# Altium PCB Bode_Analyzer.PcbDoc
Units mm, origin at the board's own origin, x right, y up, seen from the top; angles counter-clockwise.
Board outline 141.02 x 102.02 mm, 2 copper layers (Top Layer, Bottom Layer); 77 components, 62 nets, 344 pads, 134 vias.
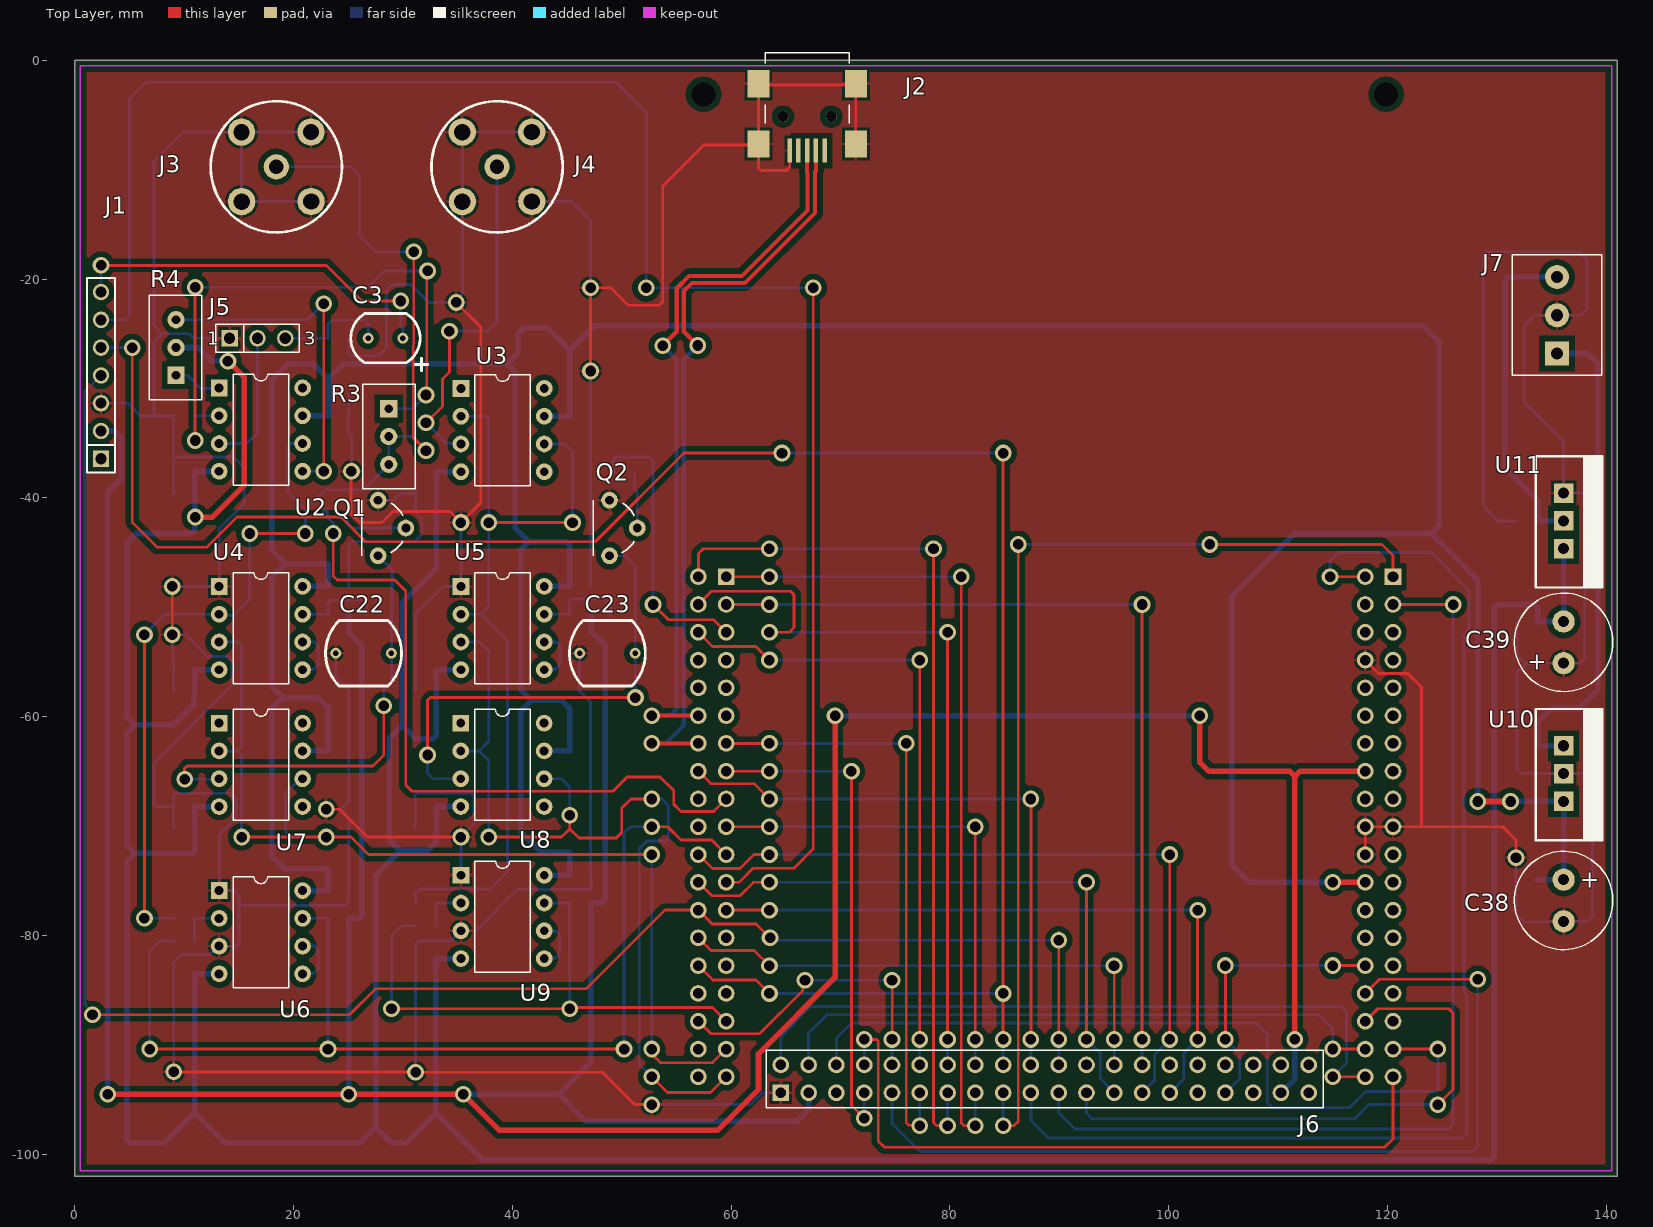
[diagram p0: Top Layer view]
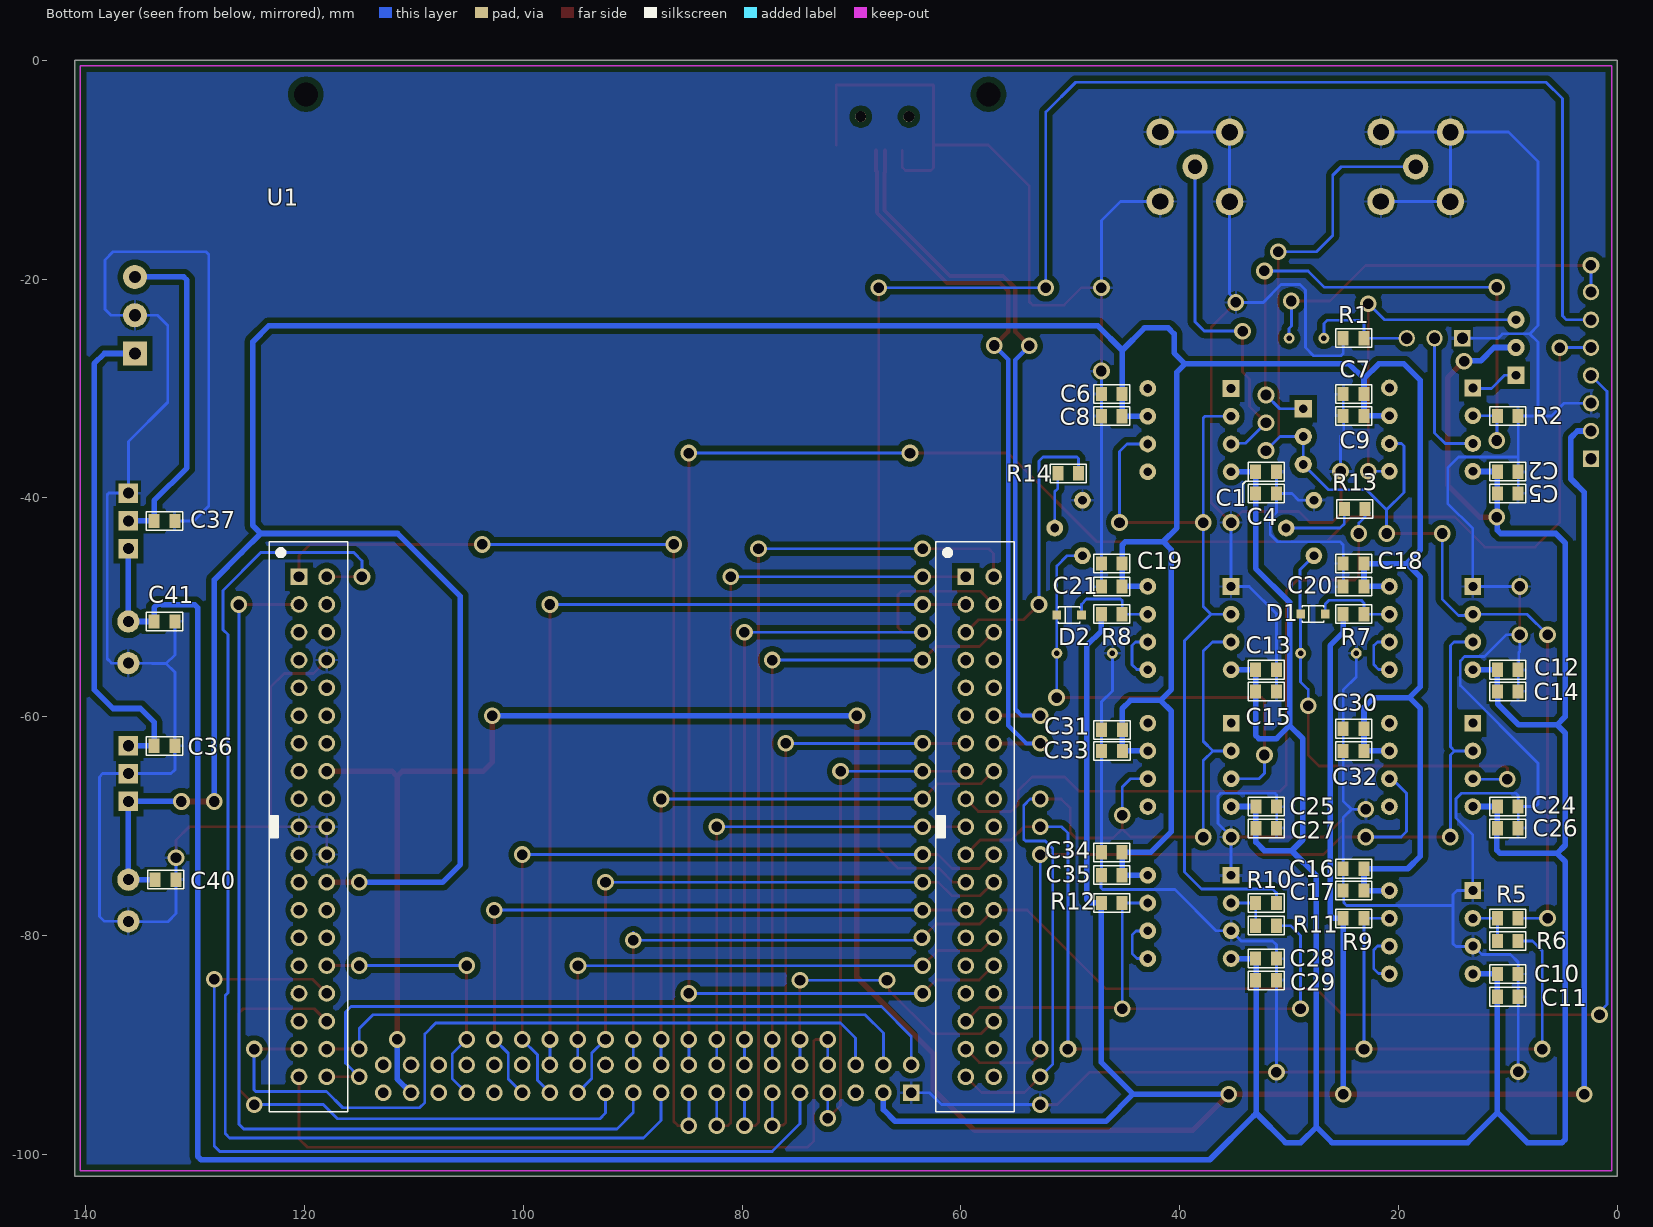
[diagram p1: Bottom Layer view, seen from below]

## Layer stack, top to bottom
Top Solder: solder mask 0.0102, Solder Resist, Dk 3.5
Top Layer: signal copper 0.0356
Dielectric 1: dielectric 0.32, FR-4, Dk 4.8
Bottom Layer: signal copper 0.0356
Bottom Solder: solder mask 0.0102, Solder Resist, Dk 3.5

## Board outline
0,-102.008 0,0 0,0.008 141.016,0.008 141.016,-102.008

## Design rules (kind name [scope] priority, off if disabled: settings)
Clearance Clearance_Polygon [All vs InPolygon] p1: gap=0.508 ignorepadtopadclearanceinfootprint=FALSE
Clearance [All] p2: gap=0.254 ignorepadtopadclearanceinfootprint=FALSE
DiffPairsRouting [All] p1: maxlimit=0.254 minlimit=0.254 mostfreqgap=0.254 toplayer_minwidth=0.381 toplayer_maxwidth=0.381 toplayer_prefwidth=0.381 bottomlayer_minwidth=0.381 bottomlayer_maxwidth=0.381 bottomlayer_prefwidth=0.381 maxuncoupledlength=12.7
MinimumSolderMaskSliver [All] p1: minsoldermaskwidth=0.127
PolygonConnect [All] p1: connectstyle=Relief reliefconductorwidth=0.254 reliefentries=4 polygonreliefangle="90 Angle" airgapwidth=0.254
RoutingVias [All] p1: holewidth=0.711 width=1.27 viastyle="Through Hole" minholewidth=0.711 minwidth=1.27 maxholewidth=0.711 maxwidth=1.27
SilkToSolderMaskClearance [IsPad] p1: minsilkscreentomaskgap=0.025 clearancetoexposedcopper=TRUE
SolderMaskExpansion [All] p1: expansion=0.102 istentingtop=FALSE
Width Width_PWR [InNet('+9V') or InNet('-9V') or InNet('3V3')  or InNet('NetC37_2') or InNet('NetC36_1')] p1: maxlimit=0.508 minlimit=0.508 preferedwidth=0.508 minimp=50.000000 maximp=50.000000 favimp=50.000000
Width [All] p2: maxlimit=0.254 minlimit=0.254 preferedwidth=0.254
27 further rules are at their usual default settings.

## Classes and differential pairs
component class U_BDAN_TFT: J6
component class U_BDAN_PWR: C36 C37 C38 C39 C40 C41 J7 U10 U11
component class U_BDAN_CPU: J1 J2 U1
component class U_BDAN_ACOND: C1 C2 C3 C4 C5 C6 C7 C8 C9 C10 C11 C12 C13 C14 C15 C16 C17 C18 C19 C20 C21 C22 C23 C24 C25 C26 C27 C28 C29 C30 C31 C32 C33 C34 C35 D1 D2 J3 J4 J5 Q1 Q2 R1 R2 R3 R4 R5 R6 R7 R8 R9 R10 R11 R12 R13 R14 U2 U3 U4 U5 U6 U7 U8 U9
differential pair USB: +USB_P -USB_N

## Components (designator, comment, footprint, x,y, rotation, side; value= is the part's Value field where it differs from the comment)
C1 "100nF" 0805 32.108,-37.61 r180 bottom
C2 "100nF" 0805 10.008,-37.6 r180 bottom
C3 "10uF 16V" CAP318 28.408,-25.4 r180 top
C4 "10uF 16V" 0805 32.108,-39.6 r180 bottom
C5 "10uF 16V" 0805 10.008,-39.6 r180 bottom
C6 "10uF 16V" 0805 46.208,-30.5 r0 bottom
C7 "10uF 16V" 0805 24.108,-30.5 r0 bottom
C8 "100nF" 0805 46.208,-32.53 r0 bottom
C9 "100nF" 0805 24.108,-32.5 r0 bottom
C10 "100nF" 0805 10.008,-83.51 r180 bottom
C11 "10uF 16V" 0805 10.008,-85.6 r180 bottom
C12 "100nF" 0805 10.008,-55.71 r180 bottom
C13 "100nF" 0805 32.108,-55.71 r180 bottom
C14 "10uF 16V" 0805 10.008,-57.7 r180 bottom
C15 "10uF 16V" 0805 32.108,-57.7 r180 bottom
C16 "10uF 16V" 0805 24.108,-73.9 r0 bottom
C17 "100nF" 0805 24.108,-75.89 r0 bottom
C18 "10uF 16V" 0805 24.108,-46 r0 bottom
C19 "10uF 16V" 0805 46.208,-46 r0 bottom
C20 "100nF" 0805 24.108,-48.09 r0 bottom
C21 "100nF" 0805 46.208,-48.09 r0 bottom
C22 "100nF" CAP508 26.408,-54.2 r180 top
C23 "100nF" CAP508 48.693,-54.2 r180 top
C24 "100nF" 0805 10.008,-68.21 r180 bottom
C25 "100nF" 0805 32.09,-68.21 r180 bottom
C26 "10uF 16V" 0805 10.008,-70.2 r180 bottom
C27 "10uF 16V" 0805 32.09,-70.2 r180 bottom
C28 "100nF" 0805 32.108,-82.11 r180 bottom
C29 "10uF 16V" 0805 32.108,-84.1 r180 bottom
C30 "10uF 16V" 0805 24.108,-61.1 r0 bottom
C31 "10uF 16V" 0805 46.19,-61.2 r0 bottom
C32 "100nF" 0805 24.108,-63.13 r0 bottom
C33 "100nF" 0805 46.19,-63.13 r0 bottom
C34 "10uF 16V" 0805 46.208,-72.4 r0 bottom
C35 "100nF" 0805 46.208,-74.49 r0 bottom
C36 "100nF" 0805 132.808,-62.66 r180 bottom
C37 "100nF" 0805 132.808,-42.1 r0 bottom
C38 "220uF 25V" CAP300RP 136.108,-76.8 r270 top
C39 "220uF 25V" CAP300RP 136.108,-53.2 r90 top
C40 "100nF" 0805 132.708,-74.895 r180 bottom
C41 "100nF" 0805 132.808,-51.295 r0 bottom
D1 "1N4148WS" SOD323F 27.823,-50.6 r0 bottom
D2 "1N4148WS" SOD323F 50.108,-50.7 r0 bottom
J1 "RECEPTACULO 7POS 0.1\"" SIPF7 2.408,-36.42 r90 top
J2 "MINIUSB_FEMALE_SMD" USB_MINI_FEMALE 69.158,-5.15 r270 top
J3 "BNC" BNC 18.428,-9.73 r0 top
J4 "BNC" BNC 38.608,-9.73 r0 top
J5 "JUMPER3" JUMPER3 16.708,-25.4 r0 top
J6 "ILI9341" ILI9341 64.552,-94.373 r0 top locked
J7 "1984620" BORNERA3_3.5MM 135.508,-26.8 r90 top
Q1 "2N7000" TO92_DGS 29.003,-42.75 r90 top
Q2 "2N7000" TO92_DGS 50.159,-42.75 r90 top
R1 "100K 1%" 0805 24.108,-25.4 r180 bottom
R2 "1K 1% 1/4W" 0805 10.008,-32.5 r0 bottom
R3 "20K" 3296W-TOP 31.148,-29.622 r270 top
R4 "100K" 3296W-TOP 6.818,-31.015 r90 top
R5 "1K 1% 1/4W" 0805 10.008,-78.43 r180 bottom
R6 "100K 1%" 0805 10.008,-80.5 r0 bottom
R7 "100K 1%" 0805 24.108,-50.63 r0 bottom
R8 "100K 1%" 0805 46.208,-50.63 r0 bottom
R9 "680R" 0805 24.108,-78.43 r0 bottom
R10 "1K 1% 1/4W" 0805 32.108,-77.03 r180 bottom
R11 "100K 1%" 0805 32.108,-79.1 r0 bottom
R12 "680R" 0805 46.208,-77.03 r0 bottom
R13 "4K7" 0805 24.008,-41 r0 bottom
R14 "4K7" 0805 50.195,-37.75 r0 bottom
U1 "NUCLEO-F401RE" NUCLEO-F401RE 59.552,-75.14 r180 bottom locked
U2 "OPA604APG4" DIP8 17.018,-33.756 r0 top
U3 "OPA604APG4" DIP8 39.118,-33.8 r0 top
U4 "LM311M" DIP8 17.018,-51.9 r0 top
U5 "LM311M" DIP8 39.118,-51.9 r0 top
U6 "LM311M" DIP8 17.018,-79.7 r0 top
U7 "OPA604APG4" DIP8 17.018,-64.4 r0 top
U8 "OPA604APG4" DIP8 39.1,-64.4 r0 top
U9 "LM311M" DIP8 39.118,-78.3 r0 top
U10 "7809" TO220-V 136.108,-65.2 r270 top
U11 "7909" TO220-V 136.108,-42.1 r270 top

## Footprints (in the part's own frame and the unit in brackets; to place one, negate y for a bottom-side part, rotate by r counter-clockwise, add the part's x,y. Pads: shape width x height; smd on the part's side, far side on the other; paste and mask are expansions set on the pad)
0805 [mm] "Chip Resistor, 2-Leads, Body 0,8\"x0,5\" - 2,0x1,3mm, IPC High Density"
  rect 1x1.3 smd: 1(-0.95,0) 2(0.95,0)
  silkscreen extent -1.65,-0.85 1.65,0.85, body extent -1,-0.62 1,0.63, height 0.39
3296W-TOP [mil]
  rect 62x62 hole 32: 1(87.6,-96.06)
  round 62 hole 32: 2(187.6,-96.06) 3(287.6,-96.06)
  silkscreen extent 0,-189 375,0, body extent 0,-190 375,0, height 454
BNC [mm]
  round 2.5 hole 1.5: 1(-3.18,3.17) 1(-3.17,-3.18) 1(3.17,3.18) 1(3.18,-3.17)
  round 2.3 hole 1.3: 2(0,0)
  silkscreen extent -6,-6 6,6, body extent -5.5,-5.5 5.5,5.5, height 13.8
BORNERA3_3.5MM [mm] "3 Position Wire to Board Terminal Block Horizontal with Board 0.138\" (3.50mm) Through Hole"
  rect 2.2x2.2 hole 1.1: 1(0,0)
  round 2.2 hole 1.1: 2(3.5,0) 3(7,0)
  silkscreen extent -2.01,-4.1 9.04,4.1, body extent -2.01,-3.6 8.99,3.7, height 8.5
CAP300RP [mil]
  round 80 hole 40: 1(-75,0) 2(75,0)
  silkscreen extent -177,-177 177,177
CAP318 [mm]
  round 1 hole 0.5: 1(-1.59,0) 2(1.59,0)
  silkscreen extent -3.87,-2.25 3.18,2.98
CAP508 [mm]
  round 1 hole 0.51: 1(-2.54,0) 2(2.54,0)
  silkscreen extent -3.47,-3 3.47,3
DIP8 [mil]
  rect 60x60 hole 32: 1(-150,150)
  round 60 hole 32: 2(-150,50) 3(-150,-50) 4(-150,-150) 5(150,-150) 6(150,-50) 7(150,50) 8(150,150)
  silkscreen extent -100,-200 100,200, body extent -155,-215 155,215, height 204
ILI9341 [mil]
  rect 60x60 hole 38: 1(0,0)
  round 60 hole 38: 2(0,100) 3(100,0) 4(100,100) 5(200,0) 6(200,100) 7(300,0) 8(300,100) 9(400,0) 10(400,100) 11(500,0) 12(500,100) 13(600,0) 14(600,100) 15(700,0) 16(700,100) 17(800,0) 18(800,100) 19(900,0) 20(900,100) 21(1000,0) 22(1000,100) 23(1100,0) 24(1100,100) 25(1200,0) 26(1200,100) 27(1300,0) 28(1300,100) 29(1400,0) 30(1400,100) 31(1500,0) 32(1500,100) 33(1600,0) 34(1600,100) 35(1700,0) 36(1700,100) 37(1800,0) 38(1800,100) 39(1900,0) 40(1900,100)
  round 78.74 hole 86.61: M1(-278.35,3593.23) M2(2178.35,3593.23)
  silkscreen extent -52,-54 1953,152, body extent -330,-80 2230,3644, height 631
JUMPER3 [mm]
  rect 1.5x1.5 hole 1.016: 1(-2.54,0)
  round 1.5 hole 1.016: 2(0,0) 3(2.54,0)
  silkscreen extent -3.81,-1.27 3.81,1.27, body extent -3.81,-1.3 3.81,1.27, height 16.15
NUCLEO-F401RE [mil]
  rect 60x60 hole 38: 1_A(-2400,1100) 1_B(0,1100)
  round 60 hole 38: 2_A(-2300,1100) 2_B(100,1100) 3_A(-2400,1000) 3_B(0,1000) 4_A(-2300,1000) 4_B(100,1000) 5_A(-2400,900) 5_B(0,900) 6_A(-2300,900) 6_B(100,900) 7_A(-2400,800) 7_B(0,800) 8_A(-2300,800) 8_B(100,800) 9_A(-2400,700) 9_B(0,700) 10_A(-2300,700) 10_B(100,700) 11_A(-2400,600) 11_B(0,600) 12_A(-2300,600) 12_B(100,600) 13_A(-2400,500) 13_B(0,500) 14_A(-2300,500) 14_B(100,500) 15_A(-2400,400) 15_B(0,400) 16_A(-2300,400) 16_B(100,400) 17_A(-2400,300) 17_B(0,300) 18_A(-2300,300) 18_B(100,300) 19_A(-2400,200) 19_B(0,200) 20_A(-2300,200) 20_B(100,200) 21_A(-2400,100) 21_B(0,100) 22_A(-2300,100) 22_B(100,100) 23_A(-2400,0) 23_B(0,0) 24_A(-2300,0) 24_B(100,0) 25_A(-2400,-100) 25_B(0,-100) 26_A(-2300,-100) 26_B(100,-100) 27_A(-2400,-200) 27_B(0,-200) 28_A(-2300,-200) 28_B(100,-200) 29_A(-2400,-300) 29_B(0,-300) 30_A(-2300,-300) 30_B(100,-300) 31_A(-2400,-400) 31_B(0,-400) 32_A(-2300,-400) 32_B(100,-400) 33_A(-2400,-500) 33_B(0,-500) 34_A(-2300,-500) 34_B(100,-500) 35_A(-2400,-600) 35_B(0,-600) 36_A(-2300,-600) 36_B(100,-600) 37_A(-2400,-700) 37_B(0,-700) 38_A(-2300,-700) 38_B(100,-700)
  silkscreen extent -2507,-825 175,1225, body extent -2526,-900 230,2406, height 846
SIPF7 [mm]
  rect 1.5x1.5 hole 1.016: 1(0,0)
  round 1.5 hole 1.016: 2(2.54,0) 3(5.08,0) 4(7.62,0) 5(10.16,0) 6(12.7,0) 7(15.24,0)
  silkscreen extent -1.27,-1.27 16.51,1.27, body extent -1.28,-1.32 16.5,1.22, height 8.55
SOD323F [mm]
  rect 0.8x0.8 smd: 1(-1.125,0) 2(1.125,0)
  silkscreen extent -0.99,-0.75 0.99,0.75, body extent -1.35,-0.67 1.35,0.67, height 0.79
TO92_DGS [mil]
  round 60 hole 32: 1(0,-50) 2(-100,50) 3(100,50)
  silkscreen extent -100,-39 100,108, body extent -110,-61 110,110, height 315
TO220-V [mil]
  rect 70x70 hole 40: 1(-100,0) 2(0,0) 3(100,0)
  silkscreen extent -232,-100 240,139, body extent -197,-79 197,118, height 709
USB_MINI_FEMALE [mm]
  rect 2.2x0.4 smd: 1(3.1,-0.6) 2(3.1,-1.4) 3(3.1,-2.2) 4(3.1,-3) 5(3.1,-3.8)
  rect 2.5x2 smd: 6(2.5,2.25) 7(2.5,-6.65) 8(-3,2.25) 9(-3,-6.65)
  round 1 hole 1 unplated: ""(0,0) ""(0,-4.4)
  silkscreen extent -5.85,-6.05 0.6,1.65, body extent -5.92,-7.04 3.33,2.86, height 3.93

## Part data
C1 C2 C8 C9 C10 C12 C13 C17 C20 C21 C24 C25 C28 C32 C33 C35 C36 C37 C40 C41: library part CAP0805_100nF_X7R, "CAP0805 100nF X7R", CREO=CP, Part Number=CAP0805_100nF_X7R
C3: library part CAP_TAN_10uF_16V_CAP318, "CAP TANT 10UF 10% 16V RADIAL", Manufacturer="KYOCERA AVX", Manufacturer Part Number=TAP106K016CRS, Supplier Part Number 1=478-TAP106K016CRSCT-ND, APROBO=-, CREO=JP, Part Number=CAP_TAN_10uF_16V_CAP318, Supplier 1=Digi-Key
C4 C5 C6 C7 C11 C14 C15 C16 C18 C19 C26 C27 C29 C30 C31 C34: library part CAP0805_10uF_16V_X5R, "CAP0805 10uF 16V X5R", Manufacturer="TDK Corporation", Manufacturer Part Number=C2012X5R1C106K085AC, Supplier Part Number 1=445-7644-1-ND, CREO=AP, Part Number=CAP0805_10uF_16V_X5R, Supplier 1=Digi-Key
C22 C23: library part CAP_CER_100nF_250V_CAP508, "CAP CER RAD 100NF 250V C0G 10%", APROBO=-, CREO=JP, Part Number=CAP_CER_100nF_250V_CAP508, Supplier 1=Digi-Key
C38 C39: library part CAP_ELECT_220uF_25V, "CAP ELECT 220uF 25V", Manufacturer=Nichicon, Manufacturer Part Number=UVR1E221MPD1TA, Supplier Part Number 1=493-6097-3-ND, APROBO=-, CREO=MM, Part Number=CAP_ELECT_220uF_25V, Supplier 1=Digi-Key
D1 D2: library part 1N4148_SOD323F, "DIODE 75V 150MA SOD323F", Supplier Part Number 1=1N4148WSFSTR-ND, CREO=EB, Part Number=1N4148_SOD323F, Supplier 1=Digi-Key
J1: library part "RECEPTACLE_7POS_0.1\"", "RECEPTACULO 1x7 POS 0.1\"", APROBO=-, Part Number="RECEPTACLE_7POS_0.1\"", Publico=JP, Supplier 1=ElectroComponentes
J2: library part CON_MINIUSB_FEMALE_SMD, "CONECTOR MINIUSB FEMALE_SMD", APROBO=-, Part Number=CON_MINIUSB_FEMALE_SMD, Publico=EB, Supplier 1=ElectroComponentes
J3 J4: "CONN BNC RCPT STR 50 OHM PCB", Manufacturer="Amphenol RF", Manufacturer Part Number=112404, Supplier Part Number 1=ACX1051-ND, Part Number=BNC, Publico=JP, Supplier 1=Digi-Key
J5: library part JUMPER3_TH, "TIRA DE PINES 1x3 0.1\" + JUMPER", Manufacturer="Harwin Inc.", Manufacturer Part Number=M20-9990345, Supplier Part Number 1=952-2263-ND, APROBO=-, Part Number=JUMPER3_TH, Publico=EB, Supplier 1=Digi-Key
J6: library part ILI9341-3.2, "ILI9341-3.2''", APROBO=-, Part Number=ILI9341-3.2, Publico=JP
J7: library part BORNERA_3_3.5MM_TORNILLO, "TERM BLK 3P SIDE ENT 3.5MM PCB", Manufacturer="Phoenix Contact", Supplier Part Number 1=277-1722-ND, APROBO=-, Manufacturer Part Number=1984620, Part Number=BORNERA_3_3.5MM_TORNILLO, Publico=AP, Supplier 1=Digi-Key
Q1 Q2: library part 2N7000_TO92, "MOSFET N-CH 60V 200MA TO-92", APROBO=-, Part Number=2N7000_TO92, Publico=EB
R1 R6 R7 R8 R11: library part RES0805_100K_1%, "RES0805 100K 1%", Manufacturer="Stackpole Electronics Inc", Manufacturer Part Number=RMCF0805FG100K, Supplier Part Number 1=RMCF0805FG100KCT-ND, APROBO=-, Part Number=RES0805_100K_1%, Publico=EB, Supplier 1=Digi-Key
R2 R5 R10: library part RES0805_1K_1%, "RES SMD 1K OHM 1% 1/4W 0805", Manufacturer="Stackpole Electronics Inc", Manufacturer Part Number=RNCP0805FTD1K00, Supplier Part Number 1=RNCP0805FTD1K00TR-ND, APROBO=-, Part Number=RES0805_1K_1%, Publico=JS, Supplier 1=Digi-Key
R3: library part TRIMMER_3296W_20K, "3296 TRIMMER 20K OHM 0.5W PC PIN", Manufacturer="Bourns Inc.", Manufacturer Part Number=3296W-1-203, Supplier Part Number 1=3296W-203-ND, APROBO=-, Part Number=TRIMMER_3296W_20K, Publico=JP, Supplier 1=Digi-Key
R4: library part TRIMMER_3296W_100K_MULTI, "3296 TRIMMER 100K OHM 0.5W PC PIN", Manufacturer="Bourns Inc.", Manufacturer Part Number=3296W-1-104LF, Supplier Part Number 1=3296W-104LF-ND, APROBO=-, Part Number=TRIMMER_3296W_100K_MULTI, Publico=JP, Supplier 1=Digi-Key
R9 R12: library part RES0805_680R_1%, "RES0805 680R 1%", Manufacturer="Stackpole Electronics Inc", Manufacturer Part Number=RMCF0805FT680R, Supplier Part Number 1=RMCF0805FT680RCT-ND, APROBO=-, Part Number=RES0805_680R_1%, Publico=JP, Supplier 1=Digi-Key
R13 R14: library part RES0805_4K7_5%, "RES0805 4K7 5%", Manufacturer="Stackpole Electronics Inc", Supplier Part Number 1=RMCF0805JT4K70TR-ND, APROBO=-, Part Number=RES0805_4K7_5%, Publico=EB, Supplier 1=Digi-Key
U1: Manufacturer=STMicroelectronics, Manufacturer Part Number=NUCLEO-F401RE, Part Number=NUCLEO-F401RE, Publico=JP, Supplier 1=Digi-Key
U2 U3 U7 U8: "IC OPAMP GP 1 CIRCUIT 8DIP", Manufacturer="Texas Instruments", Supplier Part Number 1=OPA604APG4-ND, APROBO=-, Manufacturer Part Number=OPA604APG4, Part Number=OPA604APG4, Publico=JP, Supplier 1=Digi-Key
U4 U5 U6 U9: library part LM311N, "IC VOLTAGE COMPARATOR 8-SOIC", Supplier Part Number 1=LM311MNS/NOPB-ND, APROBO=-, Part Number=LM311N, Publico=EB, Supplier 1=Digi-Key
U10: "IC REG LDO 9V 1.5A TO220", Part Number=7809, Publico=JP, Supplier 1=ElectroComponentes
U11: "IC REG LDO -9V 1.5A TO220", Part Number=7909, Publico=JP, Supplier 1=ElectroComponentes

## Via types
v1: diameter 1.524, hole 0.965, Top Layer to Bottom Layer, tented both sides, 134 vias

## Nets (pads, with @x,y where several pads share a name; then routed paths per layer and width w, separated by ;. In a path a pad name is that pad's centre, name@x,y a point inside that pad or via, vN(x,y) a via of type N, cw(c..) or ccw(c..) an arc to the next point about the centre after c; other vN are vias at no path point)
3V3: J1.2 J6.3 J6.37 R7.2 R8.2 R9.2 R12.2 U1.16_A | length 372
  Top Layer w0.508: v1(3.008,-94.5) v1(25.058,-94.5) v1(35.508,-94.5) 38.824,-97.816 58.758,-97.816 62.508,-94.066 62.508,-90.816 69.508,-83.816 v1(69.508,-59.9) ; v1(102.842,-59.9) 102.842,-64.15 103.697,-65.005 111.081,-65.005 111.542,-65.466 ; v1(111.542,-89.5) 111.542,-65.466 ; U1.16_A 112.028,-64.98 111.542,-65.466
  Bottom Layer w0.508: J1.2 3.638,-33.88 4.258,-34.5 4.258,-38.25 3.008,-39.5 v1(3.008,-94.5) ; v1(25.058,-94.5) R9.2 25.96,-78.43 26.258,-78.132 26.258,-53.5 25.058,-52.3 R7.2 ; v1(35.508,-94.5) 44.258,-94.5 ; R8.2 47.158,-52.15 48.508,-53.5 48.508,-76.702 48.21,-77 47.188,-77 47.188,-91.57 44.258,-94.5 ; J6.3 67.092,-95.916 66.008,-97 46.758,-97 44.258,-94.5 ; v1(69.508,-59.9) v1(102.842,-59.9) ; J6.37 111.542,-93.103 v1(111.542,-89.5) v1@111.542,-89.284
+9V: C6.1 C7.1 C8.1 C9.1 C16.1 C17.1 C18.1 C19.1 C20.1 C21.1 C30.1 C31.1 C32.1 C33.1 C34.1 C35.1 C38.1 C40.1 U1.24_A U2.7 U3.7 U4.8 U5.8 U6.8 U7.7 U8.7 U9.8 U10.3 | length 395.8
  Top Layer w0.508: v1(115.008,-75.14) U1.24_A ; v1(128.258,-67.75) v1(131.258,-67.75)
  Bottom Layer w0.508: U6.8 C17.1 C16.1 19.158,-73.9 18.008,-72.75 18.008,-59.25 19.008,-58.25 ; U7.7 C32.1 C30.1 23.158,-59.15 22.258,-58.25 19.008,-58.25 ; U4.8 C20.1 C18.1 19.258,-46 ; U2.7 20.835,-32.493 23.151,-32.493 C9.1 C7.1 23.158,-29.1 ; U8.7 C33.1 45.258,-63.112 45.258,-59.25 44.508,-58.5 41.758,-58.5 ; U9.8 C35.1 C34.1 42.658,-72.4 40.758,-70.5 40.758,-59.5 41.758,-58.5 ; U5.8 C21.1 C19.1 45.258,-44.298 44.96,-44 41.508,-44 ; U3.7 C8.1 45.258,-26.5 ; v1(115.008,-75.14) 107.398,-75.14 105.758,-73.5 105.758,-49 111.508,-43.25 124.008,-43.25 ; v1(128.258,-67.75) 128.258,-47.5 125.758,-45 124.008,-43.25 ; v1@131.258,-67.74 U10.3 C38.1 C40.1 ; 19.008,-58.25 18.008,-57.25 18.008,-47.25 19.258,-46 ; 19.258,-46 18.008,-44.75 18.008,-29.25 19.508,-27.75 21.808,-27.75 23.158,-29.1 ; 23.158,-29.1 24.508,-27.75 39.508,-27.75 ; 39.508,-27.75 40.508,-26.75 40.508,-25 41.048,-24.46 43.218,-24.46 45.258,-26.5 ; 39.508,-27.75 40.258,-28.5 40.258,-42.75 41.508,-44 ; 41.508,-44 40.758,-44.75 40.758,-57.5 41.758,-58.5 ; 45.258,-26.5 47.508,-24.25 54.008,-24.25 123.258,-24.25 124.742,-25.734 124.742,-42.516 124.008,-43.25
-9V: C1.1 C2.1 C4.1 C5.1 C10.1 C11.1 C12.1 C13.1 C14.1 C15.1 C24.1 C25.1 C26.1 C27.1 C28.1 C29.1 C39.2 C41.2 R4.2 U2.4 U3.4 U4.4 U5.4 U6.4 U7.4 U8.4 U9.4 U11.3 | length 430.2
  Top Layer w0.508: v1(11.008,-41.75) 12.588,-41.75 15.508,-38.83 15.508,-29 v1(14.008,-27.5)
  Bottom Layer w0.508: 5.339,-60.919 4.758,-61.5 4.758,-71.75 5.508,-72.5 ; R4.2 11.258,-26.25 12.484,-27.476 13.984,-27.476 v1(14.008,-27.5) ; U6.4 C10.1 C11.1 10.958,-96.2 ; U7.4 C24.1 C26.1 11.008,-70.25 11.008,-72.202 10.71,-72.5 5.508,-72.5 ; U4.4 C12.1 C14.1 10.944,-57.714 10.944,-58.814 9.008,-60.75 5.508,-60.75 4.758,-60 4.758,-44.12 5.628,-43.25 10.66,-43.25 10.958,-42.952 C5.1 C2.1 10.975,-37.583 13.191,-37.583 U2.4 ; U8.4 C25.1 C27.1 33.04,-71.468 32.258,-72.25 29.758,-72.25 ; U9.4 C28.1 33.008,-82.16 33.008,-96.25 ; U5.4 C13.1 C15.1 33.058,-61.702 32.76,-62 31.154,-62 29.956,-60.802 ; U3.4 C1.1 C4.1 33.058,-46.437 29.956,-49.539 29.956,-60.802 ; U11.3 C39.2 C41.2 133.758,-50.016 133.46,-49.718 133.04,-49.718 133.008,-49.75 130.056,-49.75 129.758,-50.048 129.758,-100.202 129.46,-100.5 37.258,-100.5 33.259,-96.501 33.008,-96.25 ; 5.508,-72.5 4.758,-73.25 4.758,-98.631 5.056,-98.928 8.23,-98.928 10.958,-96.2 ; 10.958,-96.2 13.687,-98.928 26.08,-98.928 27.508,-97.5 ; 27.508,-97.5 28.937,-98.928 30.33,-98.928 33.008,-96.25 ; 27.508,-97.5 27.508,-74.5 29.758,-72.25 ; 29.758,-72.25 28.758,-71.25 28.758,-62 29.956,-60.802
DDS_CS: J1.6 U1.23_B | length 163.4
  Top Layer w0.254: U1.23_B 60.718,-75.14 62.008,-73.85 65.758,-73.85 67.508,-72.1 v1@67.508,-20.85
  Bottom Layer w0.254: J1.6 4.638,-23.72 5.008,-23.35 5.008,-3.5 6.508,-2 49.508,-2 52.238,-4.73 v1(52.238,-20.78) v1(67.508,-20.78)
DDS_MOSI: J1.4 J6.22 U1.26_B | length 165.1
  Top Layer w0.254: v1(1.628,-87.25) 25.128,-87.25 27.5,-84.878 46.75,-84.878 53.948,-77.68 U1.26_B 58.282,-78.95 62.294,-78.95 v1(63.564,-80.22) ; v1(89.952,-89.5) v1(89.952,-80.43) v1@89.952,-79.736
  Bottom Layer w0.254: v1(1.628,-87.25) 1.628,-86.985 0.953,-86.309 0.953,-30.255 J1.4 ; v1(63.564,-80.22) 63.774,-80.43 89.239,-80.43 89.933,-79.736 v1@89.952,-79.736 ; J6.22 v1(89.952,-89.5)
DDS_SCK: J1.5 J6.18 U1.30_B | length 189.8
  Top Layer w0.254: v1(5.268,-26.26) 5.268,-42.26 7.508,-44.5 12.088,-44.5 14.838,-41.75 24.338,-41.75 26.594,-44.006 47.582,-44.006 55.688,-35.9 v1(64.658,-35.9) ; U1.30_B 58.332,-84.08 62.288,-84.08 v1(63.508,-85.3) ; v1(84.872,-89.5) v1(84.872,-85.3) v1(84.872,-35.9)
  Bottom Layer w0.254: J1.5 v1(5.268,-26.26) ; v1(63.508,-85.3) v1(84.872,-85.3) v1@84.958,-85.3 ; v1(64.658,-35.9) v1(84.872,-35.9) ; J6.18 v1(84.872,-89.5)
GND: C1.2 C2.2 C4.2 C5.2 C6.2 C7.2 C8.2 C9.2 C10.2 C11.2 C12.2 C13.2 C14.2 C15.2 C16.2 C17.2 C18.2 C19.2 C20.2 C21.2 C22.2 C23.2 C24.2 C25.2 C26.2 C27.2 C28.2 C29.2 C30.2 C31.2 C32.2 C33.2 C34.2 C35.2 C36.2 C37.1 C38.2 C39.1 C40.2 C41.1 J1.3 J2.5 J2.6 J2.7 J2.8 J2.9 J3.1 J4.1 J5.1 J6.1 J7.2 Q1.3 Q2.3 R1.1 R2.1 U1.8_A U1.19_A U1.20_A U1.22_A U4.1 U5.1 U6.1 U6.3 U9.1 U9.3 U10.2 U11.1 | length 733.2
  Top Layer w0.254: v1(8.918,-52.5) v1(8.918,-48.09) ; v1(9.058,-92.45) 9.083,-92.475 v1@30.983,-92.475 ; v1(23.008,-68.46) 24.218,-68.46 26.758,-71 v1(35.308,-71) ; v1(25.298,-37.566) 25.258,-37.606 25.258,-41.42 26.088,-42.25 28.088,-42.25 29.088,-41.25 34.308,-41.25 v1(35.308,-42.25) 37.115,-40.443 37.115,-24.38 v1(34.865,-22.13) ; v1(31.158,-92.5) 48.235,-92.5 51.195,-95.46 v1(52.758,-95.46) ; v1@47.158,-28.9 v1(47.158,-28.4) v1(47.158,-20.78) 48.972,-20.78 50.572,-22.38 53.444,-22.38 53.758,-22.066 53.758,-11.5 57.508,-7.75 J2.7@62.508,-7.75 ; J2.5 65.358,-9.792 65.084,-10.066 62.733,-10.066 62.508,-9.841 J2.7@62.508,-7.75 ; J2.6@71.408,-7.75 J2.6 71.408,-2.25 62.508,-2.25 J2.7 J2.7@62.508,-7.75 ; U1.22_A U1.20_A U1.19_A 130.545,-70.06 131.758,-71.273 v1(131.758,-72.88) ; U1.8_A 119.193,-56.041 121.86,-56.041 123.115,-57.296 123.115,-69.88 ; v1@131.372,-72.637 v1@131.615,-72.88
  Bottom Layer w0.254: J1.3 4.848,-31.34 6.008,-32.5 7.258,-32.5 ; v1(8.918,-48.09) U4.1 13.208,-42.8 15.508,-40.5 15.508,-37.25 14.515,-36.257 9.058,-36.257 ; v1(9.058,-92.45) C11.2 C10.2 9.058,-82.45 9.758,-81.75 12.372,-81.75 13.152,-80.97 U6.3 13.238,-81 14.758,-81 15.008,-80.75 15.008,-77.25 ; C26.2 C24.2 ; C14.2 C12.2 9.018,-55.67 9.018,-54.14 8.918,-54.04 v1(8.918,-52.5) 10.128,-52.5 12.128,-54.5 13.952,-54.5 14.351,-54.899 14.351,-57.157 7.258,-64.25 7.258,-68 7.468,-68.21 C24.2 ; C5.2 C2.2 9.058,-36.257 ; J5.1 10.908,-25.4 10.508,-25 8.008,-25 ; J3.1@21.598,-6.55 21.593,-6.555 15.253,-6.555 J3.1@15.248,-6.56 ; J3.1@21.603,-12.9 21.608,-12.9 21.603,-12.905 15.263,-12.905 15.258,-12.91 15.253,-12.905 15.253,-6.565 J3.1@15.248,-6.56 ; v1(23.008,-68.46) 24.298,-68.46 ; C22.2 23.868,-56.36 25.058,-57.55 C30.2 C32.2 25.058,-67.7 24.298,-68.46 ; C20.2 C18.2 25.058,-44.28 25.338,-44 31.088,-44 31.729,-43.359 31.729,-41.891 31.158,-41.32 C4.2 ; C7.2 25.058,-32.316 25.008,-32.366 25.008,-34.066 25.298,-34.356 v1(25.298,-37.566) ; R1.1 25.058,-26.8 25.258,-27 27.758,-27 28.508,-26.25 28.508,-21 29.008,-20.5 30.735,-20.5 32.365,-22.13 v1(34.865,-22.13) 34.865,-21.919 35.438,-21.346 35.438,-12.91 J4.1@35.428,-12.9 ; Q1.3 29.128,-40.21 29.738,-39.6 C4.2 ; C27.2 C25.2 31.14,-67.149 31.288,-67 36.258,-67 36.508,-67.25 36.508,-69.75 35.308,-70.95 v1(35.308,-71) U9.1 U9.1@35.362,-74.544 ; v1(31.158,-92.5) C29.2 C28.2 31.158,-80.85 31.508,-80.5 34.378,-80.5 U9.3 36.688,-79.57 40.45,-75.808 47.051,-75.808 47.2,-75.659 47.2,-74.532 C35.2 C34.2 47.158,-63.149 C33.2 C31.2 47.14,-58.632 46.153,-57.645 C23.2 ; C15.2 C13.2 31.158,-50.587 33.655,-48.09 U5.1 v1(35.308,-42.25) ; C1.2 C4.2 ; J4.1@35.433,-6.56 J4.1@41.773,-6.56 ; J4.1@35.438,-12.905 J4.1@35.438,-6.565 ; J4.1@41.788,-12.9 45.408,-12.9 47.158,-14.65 v1(47.158,-20.78) ; C21.2 C19.2 C8.2 C6.2 v1(47.158,-28.4) ; v1(52.758,-95.46) 61.785,-95.46 62.872,-94.373 J6.1 ; v1(131.758,-72.88) C40.2 131.758,-78 132.508,-78.75 136.063,-78.75 C38.2 138.303,-78.705 138.758,-78.25 138.758,-65.5 138.458,-65.2 U10.2 132.208,-65.2 131.858,-64.85 C36.2 131.858,-55.94 132.653,-55.145 ; C41.1 131.858,-54.35 132.653,-55.145 ; C37.1 130.108,-42.1 128.758,-40.75 128.758,-17.75 129.008,-17.5 137.508,-17.5 138.258,-18.25 138.258,-22.75 137.708,-23.3 J7.2 133.458,-23.3 132.508,-24.25 132.508,-31.25 136.108,-34.85 U11.1 137.896,-39.56 138.045,-39.709 138.045,-54.7 137.64,-55.105 C39.1 133.99,-55.105 133.95,-55.145 132.653,-55.145 ; 7.258,-32.5 R2.1 9.058,-36.257 ; 7.258,-32.5 7.258,-25.75 8.008,-25 ; 8.008,-25 7.258,-24.25 7.258,-9.25 9.948,-6.56 J3.1@15.248,-6.56 ; C24.2 9.058,-67.2 9.258,-67 14.25,-67 14.75,-67.5 14.75,-69.258 13.208,-70.8 U6.1 14.648,-75.89 15.008,-76.25 15.008,-77.25 ; 15.008,-77.25 24.758,-77.25 25.008,-77 25.008,-75.94 C17.2 C16.2 25.058,-69.22 24.298,-68.46
NetC3_1: C3.1 J1.7 | length 34.8
  Top Layer w0.254: v1(2.408,-18.743) 23.001,-18.743 26.258,-22 v1(29.791,-22)
  Bottom Layer w0.254: J1.7@2.333,-21.105 J1.7 v1(2.408,-18.743) ; v1(29.791,-22) 29.791,-24.283 30.008,-24.5 30.008,-25.39 C3.1
NetC3_2: C3.2 J5.3 R1.2 | length 10.5
  Bottom Layer w0.254: J5.3 R1.2 23.158,-24.1 23.508,-23.75 26.508,-23.75 26.818,-24.06 C3.2
NetC22_1: C22.1 D1.2 Q1.2 U7.3 | length 42
  Top Layer w0.254: v1@10.008,-65.67 v1(10.048,-65.71) 10.048,-64.71 10.258,-64.5 27.258,-64.5 28.258,-63.5 v1(28.258,-59)
  Bottom Layer w0.254: v1(10.048,-65.71) 13.168,-65.71 U7.3 ; Q1.2 29.008,-46.565 29.008,-50.54 D1.2 C22.1 28.948,-56.81 28.258,-57.5 v1(28.258,-59)
NetC23_1: C23.1 D2.2 Q2.2 U8.3 | length 43.8
  Top Layer w0.254: v1(32.258,-63.5) 32.258,-58.5 32.508,-58.25 v1(51.258,-58.25)
  Bottom Layer w0.254: v1(32.258,-63.5) 32.258,-65.169 32.76,-65.67 U8.3 ; Q2.2 50.298,-45.29 51.233,-46.225 D2.2 C23.1 51.246,-54.212 51.246,-58.237 v1(51.258,-58.25)
NetC36_1: C36.1 J7.1 U10.1 | length 45.2
  Bottom Layer w0.508: C36.1@133.658,-62.66 U10.1 ; C36.1 133.758,-60.5 135.008,-59.25 137.508,-59.25 139.237,-57.521 139.237,-27.728 138.308,-26.8 J7.1
NetC37_2: C37.2 J7.3 U11.2 | length 30.5
  Bottom Layer w0.508: J7.3 131.056,-19.8 130.758,-20.098 130.758,-37.25 133.758,-40.25 C37.2 U11.2
NetD1_1: D1.1 R7.1 U4.7 | length 8.1
  Bottom Layer w0.254: U4.7 R7.1 23.158,-49.6 23.403,-49.355 26.363,-49.355 26.698,-49.69 D1.1
NetD2_1: D2.1 R8.1 U5.7 | length 8.5
  Bottom Layer w0.254: U5.7 R8.1 45.258,-49.399 45.407,-49.25 48.508,-49.25 48.983,-49.725 D2.1
NetJ5_2: J5.2 U2.3 | length 12.6
  Bottom Layer w0.254: U2.3 15.732,-35.026 16.708,-34.05 J5.2
NetJ6_2: J6.2 U1.38_A | length 65.2
  Top Layer w0.254: v1(115.008,-92.92) U1.38_A
  Bottom Layer w0.254: J6.2 64.552,-89.206 67.258,-86.5 115.758,-86.5 116.258,-87 116.258,-91.67 v1(115.008,-92.92) ; U1.38_A U1.38_A@118.082,-92.81
NetJ6_4: J6.4 U1.36_A | length 56.9
  Top Layer w0.254: v1(115.008,-90.375) 115.011,-90.377 117.969,-90.377 U1.36_A
  Bottom Layer w0.254: J6.4 67.092,-88.916 68.758,-87.25 113.758,-87.25 115.008,-88.5 v1(115.008,-90.375)
NetJ6_6: J6.6 U1.35_A | length 73.4
  Top Layer w0.254: U1.35_A v1(124.615,-90.38)
  Bottom Layer w0.254: J6.6 69.632,-89.376 71.008,-88 108.008,-88 109.008,-89 109.008,-95.25 109.508,-95.75 116.508,-95.75 118.008,-94.25 124.466,-94.25 124.615,-94.101 v1(124.615,-90.38)
NetJ6_7: J6.7 U1.15_B | length 46
  Top Layer w0.254: U1.15_B v1(63.508,-64.98) ; v1(71.008,-64.98) 71.008,-95.543 v1(72.172,-96.707)
  Bottom Layer w0.254: v1(63.508,-64.98) v1(71.008,-64.98) ; v1(72.172,-96.707) J6.7
NetJ6_8: J6.8 U1.37_A | length 66.1
  Top Layer w0.254: v1(72.172,-89.5) 73.297,-89.5 73.446,-89.649 73.446,-98.788 74.008,-99.35 119.758,-99.35 120.508,-98.6 120.508,-92.924 U1.37_A
  Bottom Layer w0.254: J6.8 v1(72.172,-89.5)
NetJ6_9: J6.9 U1.32_A | length 83.7
  Top Layer w0.254: U1.32_A 119.272,-84 v1(128.258,-84)
  Bottom Layer w0.254: J6.9 74.712,-97.204 77.258,-99.75 127.758,-99.75 128.258,-99.25 v1(128.258,-84)
NetJ6_10: J6.10 U1.34_B | length 28.4
  Top Layer w0.254: U1.34_B 58.155,-88.983 62.591,-88.983 66.562,-85.012 66.562,-84.296 v1(66.758,-84.1) ; v1(74.712,-89.5) 74.735,-89.477 74.735,-84.123 v1@74.758,-84.1
  Bottom Layer w0.254: v1(66.758,-84.1) v1(74.712,-84.1) ; J6.10 v1(74.712,-89.5)
NetJ6_11: J6.11 U1.13_B | length 55.5
  Top Layer w0.254: U1.13_B@59.585,-62.44 v1(63.508,-62.44) ; v1(76.008,-62.44) 76.008,-97.1 76.257,-97.349 77.215,-97.349 v1(77.252,-97.386)
  Bottom Layer w0.254: v1(63.508,-62.44) v1(76.008,-62.44) ; v1(77.252,-97.386) J6.11
NetJ6_12: J6.12 U1.6_B | length 58.3
  Top Layer w0.254: U1.6_B 58.305,-53.573 62.261,-53.573 v1(63.508,-54.82) ; v1(77.252,-89.5) v1(77.252,-54.82)
  Bottom Layer w0.254: v1(63.508,-54.82) v1(77.252,-54.82) ; J6.12 v1(77.252,-89.5)
NetJ6_13: J6.13 U1.2_B | length 80.7
  Top Layer w0.254: U1.2_B 57.012,-45.096 57.458,-44.65 v1(63.508,-44.65) ; v1(78.508,-44.65) 78.508,-97.1 78.794,-97.386 v1(79.792,-97.386)
  Bottom Layer w0.254: v1(63.508,-44.65) v1(78.508,-44.65) ; v1(79.792,-97.386) J6.13
NetJ6_14: J6.14 U1.4_B | length 70.6
  Top Layer w0.254: U1.4_B 58.225,-48.527 65.435,-48.527 65.758,-48.85 65.758,-51.85 65.328,-52.28 v1(63.508,-52.28) ; v1(79.792,-89.5) v1(79.792,-52.28)
  Bottom Layer w0.254: v1(63.508,-52.28) v1(79.792,-52.28) ; J6.14 v1(79.792,-89.5)
NetJ6_15: J6.15 U1.1_B | length 75.2
  Top Layer w0.254: U1.1_B v1(63.508,-47.2) ; v1@81.051,-47.893 81.051,-97.143 81.294,-97.386 v1(82.332,-97.386)
  Bottom Layer w0.254: v1@63.301,-47.2 v1(63.508,-47.2) v1(81.051,-47.2) ; v1@82.332,-97.276 J6.15
NetJ6_16: J6.16 U1.19_B | length 44.6
  Top Layer w0.254: U1.19_B v1(63.508,-70.06) ; v1(82.332,-89.5) v1(82.332,-70.06)
  Bottom Layer w0.254: v1(63.508,-70.06) v1(82.332,-70.06) ; J6.16 v1(82.332,-89.5)
NetJ6_17: J6.17 U1.1_A | length 93.9
  Top Layer w0.254: v1(84.872,-97.386) 85.872,-97.386 86.258,-97 v1(86.258,-44.25) ; v1(103.758,-44.25) 119.508,-44.25 120.512,-45.254 U1.1_A
  Bottom Layer w0.254: v1(84.872,-97.386) J6.17 ; v1(86.258,-44.25) v1(103.758,-44.25)
NetJ6_19: J6.19 U1.2_A | length 112.2
  Top Layer w0.254: v1(114.758,-47.2) U1.2_A
  Bottom Layer w0.254: J6.19 87.412,-96.904 89.008,-98.5 126.852,-98.5 127.258,-98.094 127.258,-85.483 127.008,-85.233 127.008,-52.5 127.46,-52.048 127.46,-48.452 124.008,-45 115.508,-45 114.758,-45.75 v1(114.758,-47.2)
NetJ6_20: J6.20 U1.16_B | length 55.7
  Top Layer w0.254: U1.16_B 58.155,-66.123 62.111,-66.123 v1(63.508,-67.52) ; v1(87.412,-89.5) v1@87.412,-67.622
  Bottom Layer w0.254: v1(63.508,-67.52) v1(87.412,-67.52) ; J6.20 v1(87.412,-89.5)
NetJ6_21: J6.21 U1.3_A | length 91.7
  Top Layer w0.254: U1.3_A 120.517,-49.745 v1@126.008,-49.745
  Bottom Layer w0.254: J6.21 89.952,-96.194 91.452,-97.694 125.564,-97.694 126.008,-97.25 v1(126.008,-49.75)
NetJ6_23: J6.23 U1.34_A | length 52.3
  Top Layer w0.254: U1.34_A 119.115,-86.697 125.609,-86.697 126.008,-87.096 126.008,-94.067 v1(124.615,-95.46)
  Bottom Layer w0.254: J6.23 92.492,-96.234 93.008,-96.75 117.008,-96.75 118.298,-95.46 v1(124.615,-95.46)
NetJ6_25: J6.25 U1.24_B | length 56.8
  Top Layer w0.254: U1.24_B 58.242,-76.37 60.818,-76.37 62.048,-75.14 v1(63.508,-75.14) ; v1(92.492,-89.5) v1(92.492,-75.14)
  Bottom Layer w0.254: v1(63.508,-75.14) v1(92.492,-75.14) ; v1(92.492,-89.5) 93.758,-90.766 93.758,-93.1 J6.25
NetJ6_26: J6.26 U1.28_B | length 47.5
  Top Layer w0.254: U1.28_B 58.155,-81.363 62.111,-81.363 v1(63.508,-82.76) ; v1@95.02,-82.76 95.02,-89.488 v1(95.032,-89.5)
  Bottom Layer w0.254: v1(63.508,-82.76) v1@94.334,-82.76 ; J6.26 v1(95.032,-89.5)
  other v1: 95.008,-82.76
NetJ6_27: J6.27 U1.22_B | length 67
  Top Layer w0.254: U1.22_B 58.298,-73.886 60.802,-73.886 62.088,-72.6 v1(63.508,-72.6) ; v1(100.112,-89.5) v1(100.112,-72.6)
  Bottom Layer w0.254: v1(63.508,-72.6) v1(100.112,-72.6) ; J6.27 98.715,-93.23 98.715,-90.897 v1(100.112,-89.5)
NetJ6_28: J6.28 U1.3_B | length 80.2
  Top Layer w0.254: U1.3_B 59.557,-49.745 63.503,-49.745 v1(63.508,-49.75) ; v1(97.572,-89.5) v1(97.572,-49.74) v1@97.572,-49.686
  Bottom Layer w0.254: v1(63.508,-49.75) 97.562,-49.75 v1(97.572,-49.74) ; J6.28 v1(97.572,-89.5)
NetJ6_29: J6.29 U1.25_B | length 60.9
  Top Layer w0.254: U1.25_B@59.552,-77.934 U1.25_B@59.585,-77.967 ; U1.25_B@59.585,-77.68 v1(63.508,-77.68) ; v1(102.652,-89.5) v1(102.652,-77.68)
  Bottom Layer w0.254: v1(63.508,-77.68) v1(102.652,-77.68) ; J6.29 101.384,-93.101 101.384,-90.768 v1(102.652,-89.5)
NetJ6_33: J6.33 U1.30_A | length 25.5
  Top Layer w0.254: v1(105.192,-89.5) v1(105.192,-82.75) ; v1(115.008,-82.75) 115.013,-82.755 U1.30_A@117.967,-82.755
  Bottom Layer w0.254: J6.33 106.508,-93.057 106.508,-90.816 v1(105.192,-89.5) ; v1(105.192,-82.75) v1(115.008,-82.75) ; U1.30_A@117.967,-82.755 U1.30_A
NetQ1_1: Q1.1 R13.2 | length 6.8
  Bottom Layer w0.254: R13.2 24.958,-42.37 25.338,-42.75 Q1.1
NetQ2_1: Q2.1 R14.2 | length 5.1
  Bottom Layer w0.254: R14.2 51.145,-39.137 51.429,-39.421 Q2.1
NetR2_2: R2.2 R3.1 U2.2 | length 55.8
  Top Layer w0.254: v1(11.008,-34.75) v1(11.008,-20.75) ; v1@32.115,-30.88 v1@32.187,-30.808 ; v1(32.115,-30.59) 32.187,-30.518 32.187,-19.321 v1(32.258,-19.25)
  Bottom Layer w0.254: v1(11.008,-34.75) 11.008,-32.55 R2.2 10.972,-32.486 U2.2 ; v1(11.008,-20.75) 26.758,-20.75 28.258,-19.25 v1(32.258,-19.25) ; R3.1 30.858,-31.847 v1(32.115,-30.59)
NetR5_1: R5.1 R6.2 U6.2 | length 4.3
  Bottom Layer w0.254: R6.2 R5.1 U6.2
NetR6_1: R6.1 R9.1 U1.21_B U6.7 | length 99.6
  Top Layer w0.254: v1(6.858,-90.38) v1(23.158,-90.38) v1(50.218,-90.38) ; v1(52.758,-70.06) 54.218,-70.06 55.437,-71.279 58.231,-71.279 U1.21_B
  Bottom Layer w0.254: v1(6.858,-90.38) 6.858,-81.4 7.758,-80.5 R6.1 ; U6.7 R9.1 v1(23.158,-90.38) ; v1(50.218,-90.38) 50.218,-70.64 50.798,-70.06 v1(52.758,-70.06)
NetR10_1: R10.1 R11.2 U9.2 | length 4.3
  Bottom Layer w0.254: R11.2 R10.1 U9.2
NetR11_1: R11.1 R12.1 U1.33_B U9.7 | length 52.6
  Top Layer w0.254: v1(28.958,-86.7) v1(45.258,-86.7) 45.368,-86.59 58.302,-86.59 U1.33_B
  Bottom Layer w0.254: v1(28.958,-86.7) 28.958,-80 29.858,-79.1 R11.1 ; U9.7 R12.1 v1(45.258,-86.7) v1@45.258,-86.838
NetR13_1: R13.1 U1.17_B | length 64.4
  Top Layer w0.254: v1(23.628,-43.25) 23.628,-47.12 24.008,-47.5 29.258,-47.5 30.258,-48.5 30.258,-66.25 30.821,-66.813 49.195,-66.813 50.508,-65.5 53.508,-65.5 54.758,-66.75 54.758,-68 55.421,-68.663 58.409,-68.663 U1.17_B
  Bottom Layer w0.254: R13.1@22.685,-41.373 R13.1 23.058,-41.72 23.628,-42.29 v1(23.628,-43.25)
NetR14_1: R14.1 U1.5_B | length 26
  Top Layer w0.254: v1(52.871,-49.74) 54.268,-51.137 58.409,-51.137 U1.5_B
  Bottom Layer w0.254: R14.1 49.258,-37.737 49.258,-36.399 49.407,-36.25 52.508,-36.25 52.871,-36.613 v1(52.871,-49.74)
NetU1_35_B: U1.35_B U4.3 U7.2 U7.6 | length 95.4
  Top Layer w0.254: v1(15.258,-71) v1(23.008,-71) 25.258,-71 26.858,-72.6 v1(52.758,-72.6) ; v1@52.758,-89.85 52.901,-89.993 52.901,-90.993 53.533,-91.625 58.307,-91.625 U1.35_B
  Bottom Layer w0.254: U7.2 14.878,-63.13 ; U4.3 14.928,-53.17 15.258,-53.5 15.258,-62.75 14.878,-63.13 ; v1(15.258,-71) 15.258,-63.51 14.878,-63.13 ; U7.6 20.588,-65.67 19.258,-67 19.258,-70.5 19.758,-71 v1(23.008,-71) ; v1@52.758,-89.85 v1@52.758,-72.5
  other v1: 52.758,-90.38
NetU1_37_B: U1.37_B U5.3 U8.2 U8.6 | length 84.8
  Top Layer w0.254: v1@37.34,-71 44.508,-71 45.258,-70.25 ; v1(45.258,-69) 45.258,-70.25 ; v1(52.758,-92.92) 54.188,-94.35 58.122,-94.35 U1.37_B ; v1(52.758,-67.52) 50.838,-67.52 50.008,-68.35 50.008,-70.6 49.508,-71.1 46.108,-71.1 45.258,-70.25
  Bottom Layer w0.254: U8.2 36.96,-63.13 ; U5.3@35.29,-53.17 U5.3 37.01,-53.17 37.848,-54.008 37.848,-62.242 36.96,-63.13 ; v1(37.848,-71) 37.848,-64.018 36.96,-63.13 ; U8.6 44.51,-65.67 45.258,-66.419 v1(45.258,-69) ; v1(52.758,-92.92) 51.615,-91.777 51.615,-72.027 52.292,-71.35 54.109,-71.35 54.258,-71.201 54.258,-68.1 53.678,-67.52 v1(52.758,-67.52)
NetU4_5: U4.5 U4.6 | length 4.9
  Bottom Layer w0.254: U4.5 20.852,-55.686 21.822,-55.686 22.258,-55.25 22.258,-53.5 21.928,-53.17 U4.6
NetU5_5: U5.5 U5.6 | length 4.9
  Bottom Layer w0.254: U5.6 44.028,-53.17 44.358,-53.5 44.358,-55.25 43.922,-55.686 U5.5@42.952,-55.686
NetU6_5: U6.5 U6.6 | length 4.9
  Bottom Layer w0.254: U6.6 21.928,-80.97 22.258,-81.3 22.258,-83.05 21.822,-83.486 U6.5@20.852,-83.486
NetU9_5: U9.5 U9.6 | length 4.9
  Bottom Layer w0.254: U9.6@42.904,-79.594 44.004,-79.594 44.334,-79.924 44.334,-81.674 43.898,-82.11 U9.5
OFF+: R4.3 U2.5 | length 31.4
  Top Layer w0.254: v1(22.758,-37.566) v1(22.758,-22.25)
  Bottom Layer w0.254: R4.3 21.298,-23.71 v1(22.758,-22.25) ; U2.5 v1(22.758,-37.566)
OFF-: R4.1 U2.1 | length 4.5
  Bottom Layer w0.254: R4.1 10.298,-28.79 11.508,-30 13.154,-30 U2.1
USB_N: J2.2 U1.14_B | length 69.3
  Top Layer w0.381: v1(52.758,-62.44) U1.14_B ; v1@56.94,-26.069 55.674,-24.803 55.674,-21.1 56.424,-20.35 61.271,-20.35 67.685,-13.936 67.685,-10.185 67.758,-10.112 J2.2
  Bottom Layer w0.381: v1(52.758,-62.44) 54.023,-62.44 55.674,-60.789 55.674,-27.35 v1(56.955,-26.069)
USB_P: J2.3 U1.12_B | length 66.7
  Top Layer w0.381: v1(52.758,-59.9) U1.12_B ; v1@53.758,-26.084 55.039,-24.803 55.039,-20.837 56.161,-19.715 61.008,-19.715 67,-13.723 67,-10.25 66.958,-10.208 J2.3
  Bottom Layer w0.381: v1(52.758,-59.9) 54.458,-59.9 55.039,-59.319 55.039,-27.381 v1(53.758,-26.1)
VIN: J3.2 R3.2 R3.3 R5.2 U2.6 U4.2 | length 114.4
  Top Layer w0.254: v1(6.378,-78.43) v1(6.378,-52.5) ; v1(16.008,-43.25) v1(21.088,-43.25) ; v1(30.984,-17.5) 30.948,-34.498 v1(32.115,-35.67)
  Bottom Layer w0.254: v1(6.378,-78.43) R5.2 ; v1(6.378,-52.5) 8.248,-50.63 U4.2 13.328,-50.75 14.508,-50.75 16.008,-49.25 v1(16.008,-43.25) ; J3.2 25.238,-9.73 26.008,-10.5 26.008,-16 27.508,-17.5 v1(30.984,-17.5) ; U2.6 19.732,-35.026 19.508,-35.25 19.508,-39.5 21.088,-41.08 ; v1(21.088,-43.25) 21.088,-41.08 ; R3.2@28.627,-34.468 R3.2 ; v1(32.115,-35.67) 30.833,-34.387 R3.2 ; 21.088,-41.08 22.918,-39.25 26.385,-39.25 R3.3 R3.2
VOUT: R10.2 U3.2 U3.6 U5.2 | length 74.6
  Top Layer w0.254: v1(37.848,-42.25) v1(45.508,-42.25)
  Bottom Layer w0.254: R10.2 31.158,-76.1 31.508,-75.75 38.008,-75.75 39.558,-74.2 39.558,-53.06 37.128,-50.63 ; U5.2 37.128,-50.63 ; U3.2 37.699,-32.53 37.848,-32.679 v1(37.848,-42.25) 37.848,-49.91 37.128,-50.63 ; U3.6 44.828,-35.07 45.508,-35.75 v1(45.508,-42.25) v1@45.508,-42.488
VOUT_FILT: J4.2 U3.3 | length 32.5
  Top Layer w0.254: v1@32.459,-33.13 v1(32.115,-33.13) 33.615,-31.63 33.615,-29.13 34.258,-28.487 v1(34.258,-24.75)
  Bottom Layer w0.254: v1@32.115,-33.143 v1(32.115,-33.13) 33.985,-35 35.238,-35 U3.3 ; v1(34.258,-24.75) 37.758,-24.75 38.608,-23.9 J4.2
pads on no net: J1.1 J2. J2.1 J2.4 J6.5 J6.24 J6.30 J6.31 J6.32 J6.34 J6.35 J6.36 J6.38 J6.39 J6.40 J6.M1 J6.M2 U1.4_A U1.5_A U1.6_A U1.7_A U1.7_B U1.8_B U1.9_A U1.9_B U1.10_A U1.10_B U1.11_A U1.11_B U1.12_A U1.13_A U1.14_A U1.15_A U1.17_A U1.18_A U1.18_B U1.20_B U1.21_A U1.23_A U1.25_A U1.26_A U1.27_A U1.27_B U1.28_A U1.29_A U1.29_B U1.31_A U1.31_B U1.32_B U1.33_A U1.36_B U1.38_B U2.8 U3.1 U3.5 U3.8 U7.1 U7.5 U7.8 U8.1 U8.5 U8.8

## Polygon pours and split planes (outlines as drawn)
GND on Bottom Layer "GND_BOT" (solid, remove dead copper, pour order 0): 0.508,-0.5 0.508,-101.5 140.508,-101.5 140.508,-0.5
GND on Top Layer "GND_TOP" (solid, remove dead copper, pour order 1): 0.508,-0.5 140.508,-0.5 140.508,-101.5 0.508,-101.5

## Keep-outs
Keep-Out Layer:
  lines w0.127: 0.508,-99.5 0.508,-101.5 ; 0.508,-101.5 140.508,-101.5 140.508,-0.5 0.508,-0.5 0.508,-101.5

## Silkscreen, mask and mechanical layers (free items; w line width, h text height)
Bottom Overlay:
  lines w0.127: 33.758,-38.458 33.966,-38.458 34.258,-38.75 34.258,-40.75
Mechanical 4:
  lines w0.127: 0,0 0,-102.008 141.016,-102.008 141.016,0.008 0,0.008
Mechanical 15:
  circle w0.254: c38.608,-9.73 r7.5
  circle w0.254: c18.428,-9.73 r7.5

## Text inside footprints (layer, text, board x,y; h text height)
C38: Top Overlay "+" at 137.632,-75.657 h1.52
C39: Top Overlay "+" at 134.584,-54.343 h1.52 r180
J5: Top Overlay "1" at 12.119,-25.994 h1.2; Top Overlay "3" at 21,-26 h1.2